# Altium PCB Scaffold.PcbDoc (part 3 of 3) (continued)
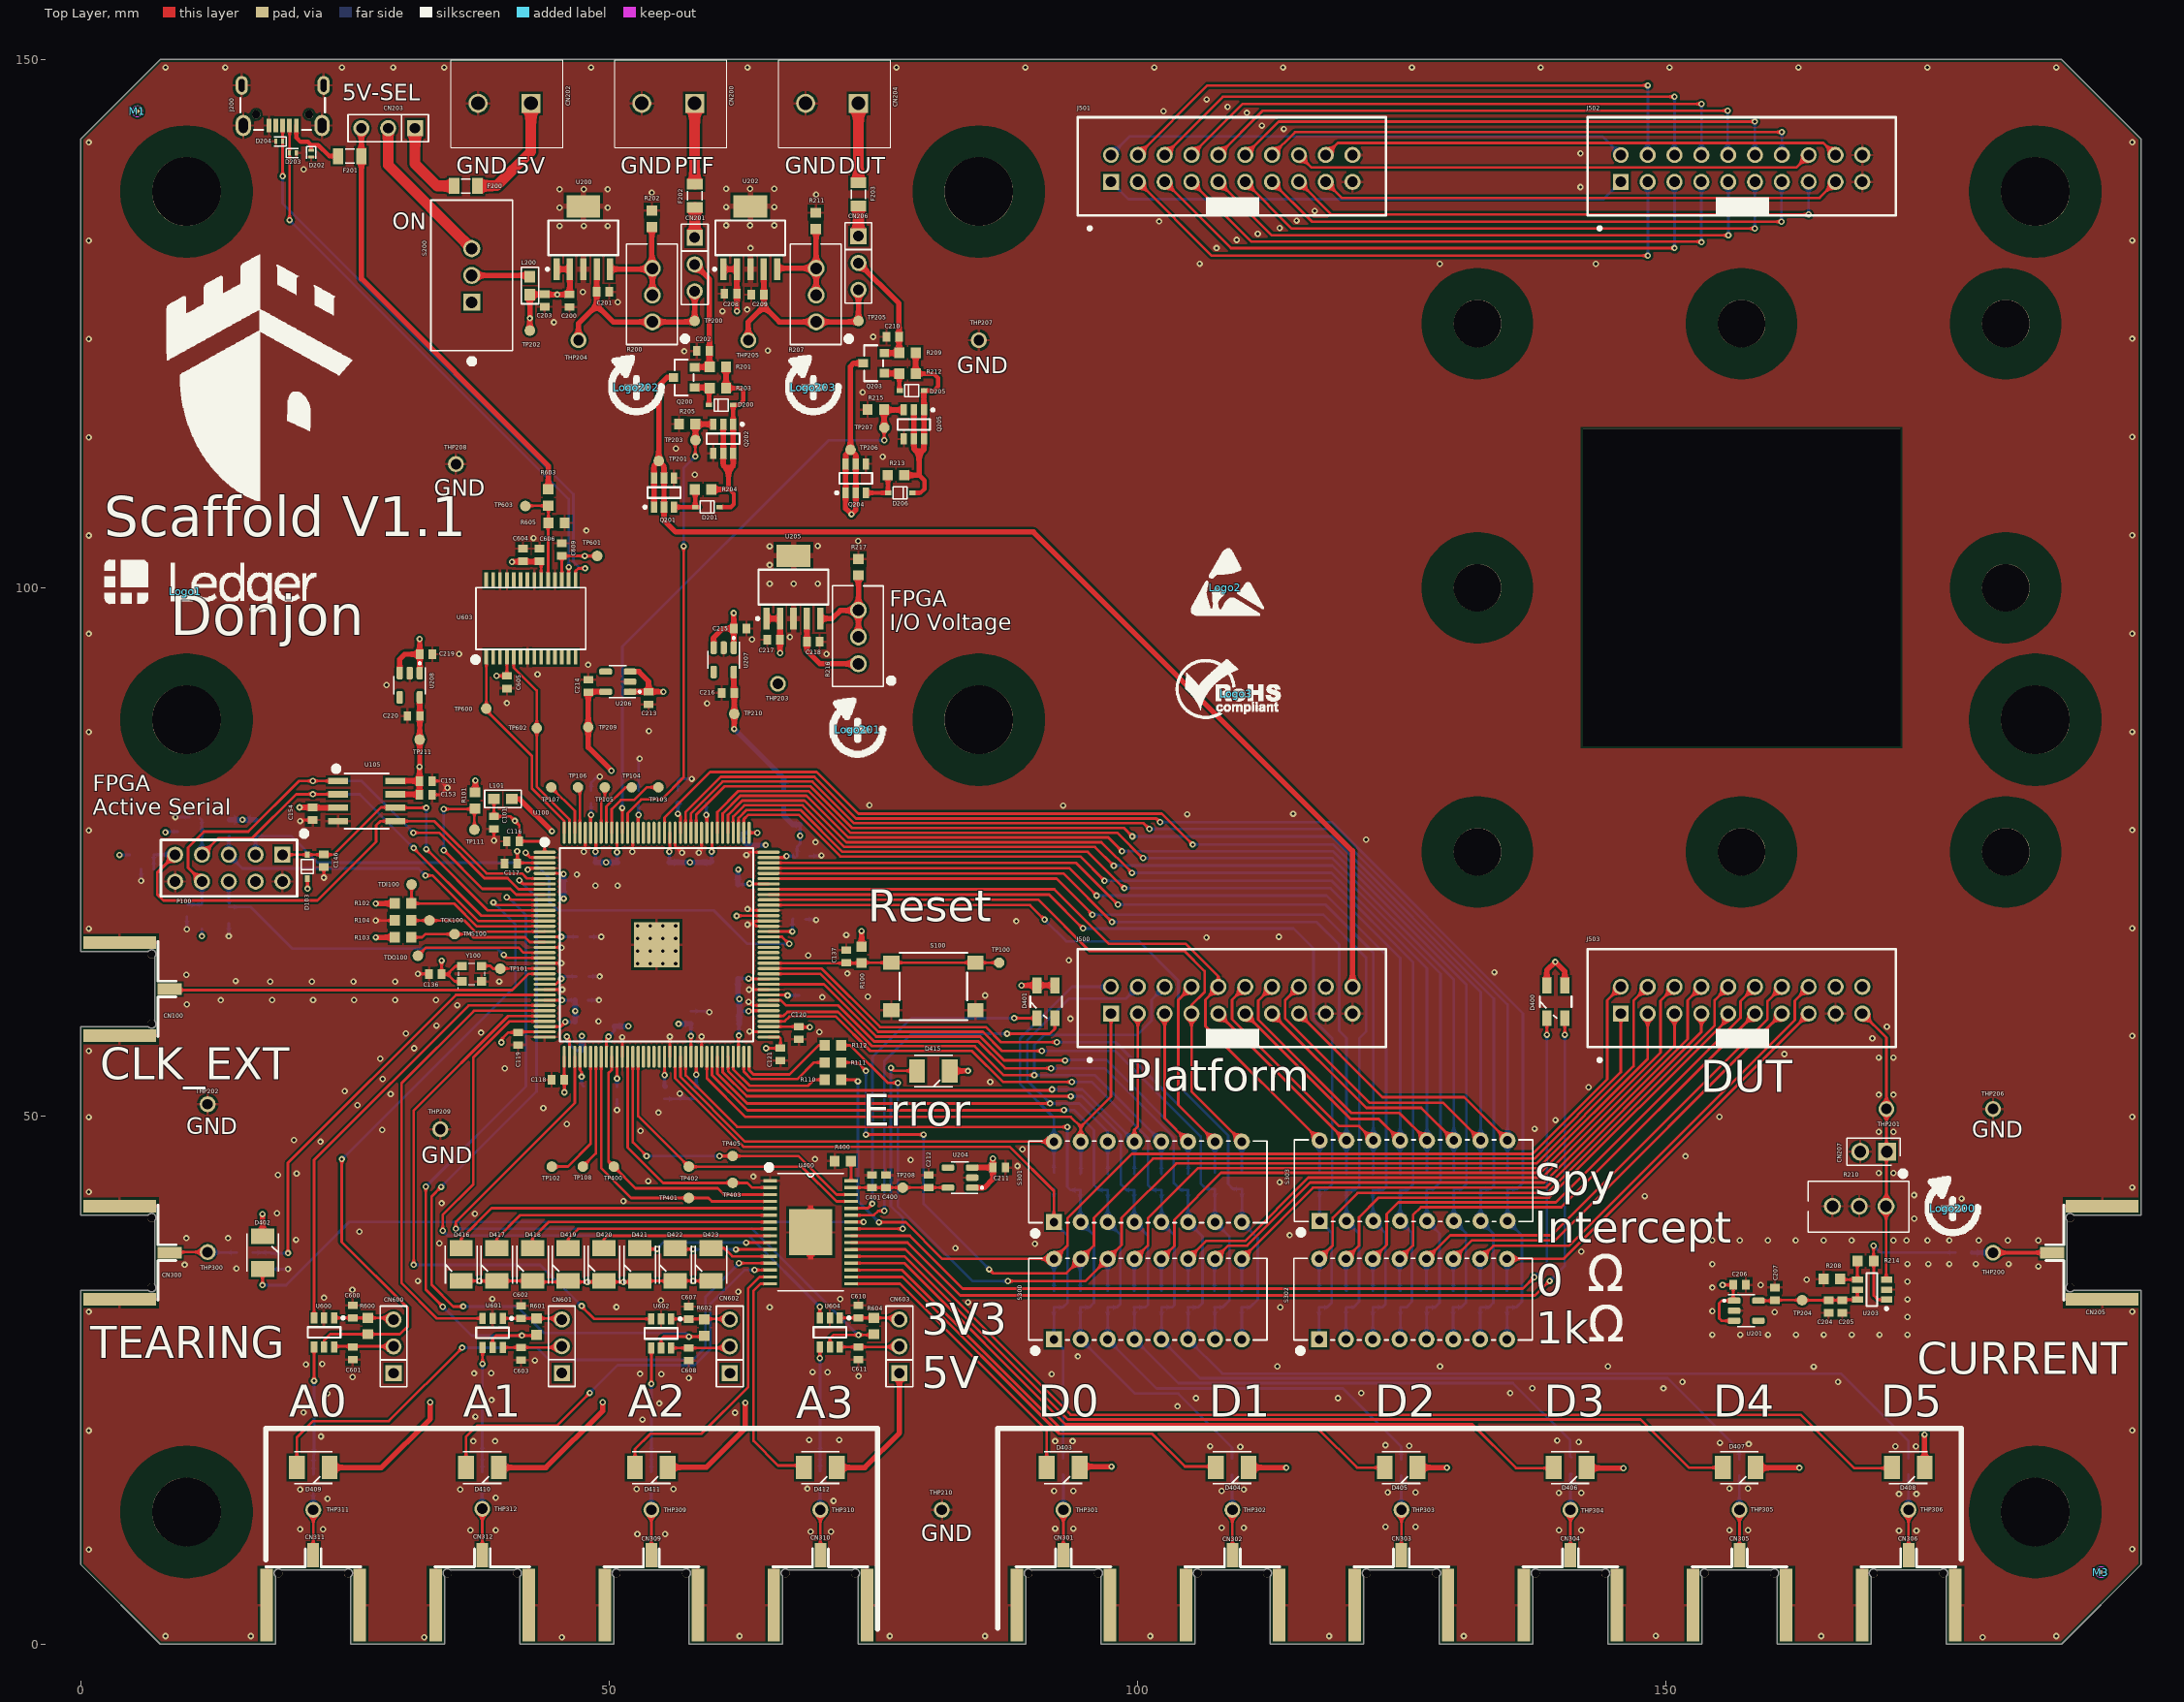
[diagram p0: Top Layer view]
## Nets (pads, with @x,y where several pads share a name; then routed paths per layer and width w, separated by ;. In a path a pad name is that pad's centre, name@x,y a point inside that pad or via, vN(x,y) a via of type N, cw(c..) or ccw(c..) an arc to the next point about the centre after c; other vN are vias at no path point) (continued)
  Bottom Layer w0.25: v1(32.65,43.3) 42.125,52.775 42.125,69.025 40.45,70.7 v1(40.3,70.7) ; v1(34.25,31.925) 34.275,31.925 37,29.2 v1(41.75,29.2)
NetR602_1: R602.1 U100.7 U602.5 | length 77
  Top Layer w0.25: v1(34.1,43.275) 33.2,42.375 33.2,34 35.25,31.95 v1(36.2,31.95) ; v1(41.5,72.3) 41.85,71.95 U100.7@43.9,71.95 ; U602.5@54.925,28.025 54.925,28.875 55.15,29.1 v1(57.575,29.1) R602.1@58.95,29.1
  Bottom Layer w0.25: v1(34.1,43.275) 43.125,52.3 43.125,70.675 v1(41.5,72.3) ; v1(36.2,31.95) 41.3,31.95 43.8,29.45 57.225,29.45 v1(57.575,29.1)
NetR603_1: R603.1 R605.2 TP603.1 U603.19 | length 9.3
  Top Layer w0.25: TP603.1@42.054,107.75 44.229,107.75 44.254,107.775 44.254,106.175 44.225,106.146 U603.19@44.225,100.743
NetR604_1: R604.1 U100.39 U604.5 | length 68.2
  Top Layer w0.25: v1(35.5,39.3) 35.5,39.975 46.75,51.225 U100.39@46.75,55.6 ; U604.5@70.9,28.125 70.9,28.925 71.225,29.25 v1(73.6,29.25) R604.1@74.975,29.25
  Bottom Layer w0.25: v1(35.5,39.3) 63.475,39.3 63.5,39.325 v1@73.575,29.25
NetTDO100_1: TDO100.1 U100.20 | length 12.5
  Top Layer w0.25: TDO100.1@31.9,65.15 32.675,65.925 41.425,65.925 41.9,65.45 U100.20@43.9,65.45
NetTP102_1: TP102.1 U100.42 | length 12.8
  Top Layer w0.25: TP102.1@44.575,45.2 46.1,45.2 48.25,47.35 U100.42@48.25,55.6
NetTP103_1: TP103.1 U100.135 | length 7.5
  Top Layer w0.25: U100.135@50.25,76.8 50.25,79.034 51.116,79.9 52.364,79.9 53.564,81.1 TP103.1@54.68,81.1
NetTP104_1: TP104.1 U100.136 | length 5.6
  Top Layer w0.25: U100.136@49.75,76.8 49.75,79.3 51.55,81.1 TP104.1@52.14,81.1
NetTP105_1: TP105.1 U100.137 | length 4.4
  Top Layer w0.25: U100.137@49.25,76.8 49.25,79.75 49.6,80.1 TP105.1@49.6,81.1
NetTP106_1: TP106.1 U100.141 | length 4.4
  Top Layer w0.25: TP106.1@47.06,81.1 47.25,80.91 U100.141@47.25,76.8
NetTP107_1: TP107.1 U100.142 | length 5.2
  Top Layer w0.25: TP107.1@44.52,81.1 46.75,78.87 U100.142@46.75,76.8
NetTP108_1: TP108.1 U100.43 | length 10.9
  Top Layer w0.25: TP108.1@47.512,45.2 48.75,46.438 U100.43@48.75,55.6
NetTP403_1: TP403.1 U100.49 U400.2 | length 23.7
  Top Layer w0.25: U100.49@51.75,55.6 51.75,47 55.1,43.65 TP403.1@61.7,43.65 63.1,43.65 63.55,43.2 U400.2@65.255,43.2
NetTP405_1: TP405.1 U100.50 U400.30 | length 30.8
  Top Layer w0.25: U100.50@52.25,55.6 52.25,47.5 v1(53.55,46.2) ; v1(60.45,46.2) TP405.1@61.7,46.2 67.9,46.2 71.55,42.55 U400.30@72.9,42.55
  Bottom Layer w0.25: v1(53.55,46.2) v1(60.45,46.2)
NetTP600_1: TP600.1 U100.144 U603.1 | length 19.8
  Top Layer w0.25: U603.1@38.375,93.431 38.375,88.725 38.2,88.55 42.7,84.05 42.7,80.975 45.75,77.925 U100.144@45.75,76.8
NetTP602_1: TP602.1 U100.143 U603.5 | length 18.8
  Top Layer w0.25: U603.5@40.975,93.431 40.975,92.425 43.15,90.25 TP602.1@43.15,86.7 43.15,81.161 46.25,78.061 U100.143@46.25,76.8
NetU100_30: U100.30 U600.3 | length 42.8
  Top Layer w0.25: U600.3@22.075,30.875 22.075,45.825 36.7,60.45 U100.30@43.9,60.45
NetU100_31: U100.31 U601.3 | length 44.4
  Top Layer w0.25: U601.3@38.025,30.825 33.7,30.825 30.35,34.175 30.35,53.075 37.225,59.95 U100.31@43.9,59.95
NetU100_32: U100.32 U602.3 | length 55.3
  Top Layer w0.25: v1(31.5,35.9) 31.5,50.5 40.45,59.45 U100.32@43.9,59.45 ; v1(47.4,32) 47.4,31.95 48.575,30.775 U602.3@53.925,30.775
  Bottom Layer w0.25: v1(31.5,35.9) 43.475,35.9 47.4,31.975 v1(47.4,32)
NetU100_33: U100.33 U604.3 | length 65.5
  Top Layer w0.25: v1(34.25,39.125) 34.25,40.625 37.15,43.525 37.15,55.514 40.586,58.95 U100.33@43.9,58.95 ; U604.3@69.95,30.875 v1(69.95,31.925)
  Bottom Layer w0.25: v1(34.25,39.125) 34.7,38.675 63.2,38.675 v1(69.95,31.925)
nSTATUS: R101.1 TP111.1 U100.9 | length 20.1
  Top Layer w0.25: v1(34.35,75.15) 38,71.5 40.65,71.5 41.2,70.95 U100.9@43.9,70.95 ; v1(34.35,79.05) 37.225,79.05 R101.1@37.25,79.025 ; TP111.1@37.25,77.1 R101.1@37.25,79.025 ; R101.1@37.3,79.075 R101.1@37.25,79.025
  Bottom Layer w0.25: v1(34.35,75.15) v1(34.35,79.05)
PIN1: J501.1 J502.1 | length 49.6
  Bottom Layer w0.25: J501.1@97.51,138.42 99.155,136.775 144.125,136.775 J502.1@145.77,138.42
PIN2: J501.2 J502.2 | length 49.7
  Bottom Layer w0.25: J501.2@97.51,140.96 99.275,142.725 144.005,142.725 J502.2@145.77,140.96
PIN3: J501.3 J502.3 | length 58.2
  Top Layer w0.25: J501.3@100.05,138.42 107.045,131.425 v1(148.325,131.425)
  Bottom Layer w0.25: J502.3@148.31,138.42 148.3,138.41 148.325,138.385 v1(148.325,131.425)
PIN4: J501.4 J502.4 | length 57.6
  Top Layer w0.25: J501.4@100.05,140.96 106.64,147.55 v1(148.325,147.55)
  Bottom Layer w0.25: J502.4@148.31,140.96 148.275,140.995 148.325,141.045 v1(148.325,147.55)
PIN5: J501.5 J502.5 | length 57.1
  Top Layer w0.25: J501.5@102.59,138.42 108.86,132.15 v1(150.85,132.15)
  Bottom Layer w0.25: v1(150.85,132.15) J502.5@150.85,138.42
PIN6: J501.6 J502.6 | length 56.1
  Top Layer w0.25: J501.6@102.59,140.96 108.105,146.475 v1(150.85,146.475)
  Bottom Layer w0.25: J502.6@150.85,140.96 150.825,140.985 150.85,141.01 v1(150.85,146.475)
PIN7: J501.7 J502.7 | length 56.4
  Top Layer w0.25: J501.7@105.13,138.42 110.775,132.775 153.325,132.775 v1(153.4,132.7)
  Bottom Layer w0.25: J502.7@153.39,138.42 153.39,132.71 v1(153.4,132.7)
PIN8: J501.8 J502.8 | length 55.1
  Top Layer w0.25: J501.8@105.13,140.96 109.97,145.8 v1(153.4,145.8)
  Bottom Layer w0.25: J502.8@153.39,140.96 153.4,140.97 v1(153.4,145.8)
PIN9: J501.9 J502.9 | length 55.5
  Top Layer w0.25: J501.9@107.67,138.42 112.74,133.35 v1(155.95,133.35)
  Bottom Layer w0.25: J502.9@155.93,138.42 155.95,138.4 v1(155.95,133.35)
PIN10: J501.10 J502.10 | length 54.2
  Top Layer w0.25: J501.10@107.67,140.96 111.86,145.15 v1(155.875,145.15)
  Bottom Layer w0.25: v1(155.875,145.15) 155.875,141.015 J502.10@155.93,140.96
PIN11: J501.11 J502.11 | length 54.5
  Top Layer w0.25: J501.11@110.21,138.42 114.63,134 v1(158.45,134)
  Bottom Layer w0.25: v1(158.45,134) 158.45,138.4 J502.11@158.47,138.42
PIN12: J501.12 J502.12 | length 52.7
  Top Layer w0.25: J501.12@110.21,140.96 113.375,144.125 v1(158.45,144.125)
  Bottom Layer w0.25: v1(158.45,144.125) 158.45,140.98 J502.12@158.47,140.96
PIN13: J501.13 J502.13 | length 53.6
  Top Layer w0.25: J501.13@112.75,138.42 116.52,134.65 v1(160.975,134.65)
  Bottom Layer w0.25: v1(160.975,134.65) 160.975,138.385 J502.13@161.01,138.42
PIN14: J501.14 J502.14 | length 51.5
  Top Layer w0.25: J501.14@112.75,140.96 114.915,143.125 v1(161,143.125)
  Bottom Layer w0.25: v1(161,143.125) 161,143.205 161.01,143.215 J502.14@161.01,140.96
PIN15: J501.15 J502.15 | length 52.6
  Top Layer w0.25: J501.15@115.29,138.42 118.385,135.325 v1(163.55,135.325)
  Bottom Layer w0.25: v1(163.55,135.325) J502.15@163.55,138.42
PIN16: J501.16 J502.16 | length 49.2
  Top Layer w0.25: J501.16@115.29,140.96 116.475,139.775 162.365,139.775 J502.16@163.55,140.96
PIN17: J501.17 J502.17 | length 49.5
  Top Layer w0.25: J501.17@117.83,138.42 119.35,136.9 164.57,136.9 J502.17@166.09,138.42
PIN18: J501.18 J502.18 | length 49.2
  Top Layer w0.25: J501.18@117.83,140.96 118.97,142.1 164.95,142.1 J502.18@166.09,140.96
USBDM: D203.C J200.2 U603.16 | length 54.3
  Top Layer w0.25: v1(19.75,134.8) D203.C@19.75,141.125 ; D203.C@19.75,141.175 J200.2@19.75,143.75 ; U603.16@46.175,100.743 46.175,102.125 v1(46.175,101.95)
  Bottom Layer w0.25: v1(19.75,134.8) 46.175,108.375 v1(46.175,101.95)
USBDP: D204.C J200.3 U603.15 | length 55.8
  Top Layer w0.25: v1(19.1,138.95) J200.3@19.1,143.75 ; U603.15@46.825,100.743 46.825,101.575 47.075,101.825 v1(47.725,101.825)
  Bottom Layer w0.25: v1@19.15,138.85 19.1,138.8 19.1,136.375 46.625,108.85 46.625,102.456 47.256,101.825 v1(47.725,101.825)
VBus: CN203.3 F201.1 R603.2 | length 41.6
  Top Layer w0.25: R603.2@44.254,109.325 R603.2@44.3,109.371
  Top Layer w0.5: CN203.3@26.55,143.5 F201.1@26.55,140.85 26.55,129.25 44.254,111.546 R603.2@44.254,109.325
VCC_DUT: J503.20 Q203.3 Q204.1 Q204.2 Q204.5 Q204.6 TP206.1 | length 136.4
  Top Layer w0.5: Q203.3@74.05,121.25 73.15,121.25 72.85,120.95 TP206.1@72.85,113.05 ; TP206.1@72.85,113.05 72.4,112.6 Q204.6@72.4,111.725 Q204.1@72.4,108.975 72.4,107.5 v1(72.95,106.95) 73.35,107.35 Q204.2@73.35,108.975 Q204.5@73.35,111.725 73.35,112.55 TP206.1@72.85,113.05
  Power w0.5: v1(72.95,106.95) 75.088,104.812 116.588,104.812 154.175,67.225 163.625,67.225 J503.20@168.63,62.22
VCC_DUT_PERMANENT: C210.2 CN206.2 J503.18 Q203.2 R209.2 | length 150.5
  Top Layer w0.5: CN206.2@73.6,130.74 77.444,126.896 C210.2@77.444,123.75 77.444,122.25 77.394,122.2 Q203.2@76.05,122.2
  Power w0.5: CN206.2@73.6,130.74 71.775,128.915 71.775,104.25 74.175,101.85 116.025,101.85 152.675,65.2 163.11,65.2 J503.18@166.09,62.22
VCC_IO_FPGA: C128.2 C129.2 C130.2 C131.2 C132.2 C133.2 C218.2 R100.2 R216.1 THP203.1 U100.56 U100.62 U100.81 U100.93 U100.117 U100.122 U205.4 | length 27.8
  Top Layer w0.25: v1(55.25,53.85) U100.56@55.25,55.6 ; v1(56.5,78.6) 56.75,78.35 U100.122@56.75,76.8 ; v1(58.25,53.9) U100.62@58.25,55.6 ; U100.117@59.25,76.8 v1@59.25,78.45 ; U100.81@65.1,61.45 v1@66.85,61.45 ; U100.93@65.1,67.45 v1(67.35,67.45)
  Top Layer w0.5: v1(59.2,78.5) v1@59.25,78.45 ; C218.2@68.65,95.125 C218.2@68.675,95.15 ; U205.4@68.72,97.072 68.728,97.064 C218.2@68.728,94.875 68.728,94.022 69.95,92.8 R216.1@73.6,92.8 ; R100.2@73.9,66.025 v1(73.9,67.5)
  Bottom Layer w0.25: C130.2@55.25,52.847 v1(55.25,53.85) ; v1(56.5,78.6) 56.5,79.303 C133.2@56.75,79.553 ; C131.2@58.25,52.847 v1(58.25,53.9) ; v1(59.2,78.5) C132.2@59.2,79.6 ; v1(66.9,61.4) C128.2@68,61.4 ; v1(67.35,67.45) 67.35,68.6 C129.2@67.4,68.65
  Bottom Layer w0.5: C130.2@55.25,52.847 C130.2@55.3,52.797 ; C133.2@56.5,79.603 C133.2@56.55,79.553 ; C131.2@58.25,52.847 C131.2@58.3,52.797
VCC_PLATFORM: J500.20 Q200.3 Q201.1 Q201.2 Q201.5 Q201.6 TP201.1 | length 110.2
  Top Layer w0.5: Q201.1@54.25,107.625 Q201.6@54.25,110.375 54.25,111.525 TP201.1@54.712,111.988 ; Q200.3@56.1,119.9 55.475,119.9 54.7,119.125 TP201.1@54.7,112 TP201.1@54.712,111.988 ; J500.20@120.37,62.22 120.37,75.08 90.175,105.275 56.3,105.275 55.2,106.375 Q201.2@55.2,107.625 Q201.5@55.2,110.375 55.2,111.5 TP201.1@54.712,111.988
VCC_PLATFORM_PERMANENT: C202.2 CN201.2 J500.18 Q200.2 R201.2 | length 115.8
  Top Layer w0.5: Q200.2@58.1,120.85 58.15,120.9 R201.2@59.525,120.9 59.497,120.928 C202.2@59.497,122.2 ; CN201.2@58.1,130.6 59.5,129.2 C202.2@59.5,122.4
  Power w0.5: CN201.2@58.1,130.6 59.5,129.2 59.5,112.4 72.05,99.85 91.15,99.85 117.83,73.17 J500.18@117.83,62.22
Vsupply: C200.2 C203.2 C206.2 C208.2 C211.2 C213.2 C215.2 C217.2 C219.2 C604.1 C606.1 CN600.1 CN601.1 CN602.1 CN603.1 D400.1 D400.2 D401.1 D401.2 D402.2 D403.2 D404.2 D405.2 D406.2 D407.2 D408.2 D409.2 D410.2 D411.2 D412.2 D415.2 D416.2 D417.2 D418.2 D419.2 D420.2 D421.2 D422.2 D423.2 L200.1 TP202.1 U200.1 U200.2 U201.1 U201.3 U202.1 U202.2 U204.1 U204.3 U205.1 U205.2 U206.1 U206.3 U207.1 U207.3 U208.1 U208.3 U603.20 | length 164.1
  Top Layer w0.25: U208.3@30.175,91.916 U208.3@30.197,91.938 ; D416.2@36,34.375 v1(37.75,34.375) D417.2@39.379,34.375 D418.2@42.757,34.375 42.9,34.375 43,34.275 v1(47.95,34.275) v1(51.35,34.275) D421.2@53,34.275 ; U603.20@43.575,100.743 43.575,102.365 C606.1@43.597,102.387 ; D421.2@52.893,34.375 D422.2@56.271,34.375 v1(57.961,34.375) D423.2@59.65,34.375 ; D404.2@110.55,16.8 D404.2@110.65,16.7 ; v1(155.4,34) C206.2@156.403,34 156.403,32.582 U201.1@156.485,32.5 155.3,32.5 155.075,32.275 155.075,30.825 155.3,30.6 U201.3@156.485,30.6 ; D408.2@174.375,16.875 D408.2@174.45,16.8
  Top Layer w0.5: D402.2@17.2,38.6 v1(17.2,40.7) ; D409.2@23.55,16.9 23.75,16.7 28.45,16.7 33.075,21.325 v1(33.075,22.875) ; U208.3@30.175,91.916 30.175,93.225 30.65,93.7 C219.2@32.078,93.7 ; U208.1@32.075,91.916 32.078,91.919 C219.2@32.078,93.7 ; v1@32.075,95.2 v1(32.075,95.15) 32.075,93.703 C219.2@32.078,93.7 ; D410.2@39.55,16.9 39.75,16.7 44.025,16.7 49.4,22.075 v1(49.4,22.875) ; v1@40.797,102.453 C606.1@43.45,102.453 ; TP202.1@42.5,124.341 v1(42.5,125.5) L200.1@42.5,127.75 v1(45.1,127.75) C200.2@46.228,127.75 ; U200.1@45.02,130.15 U200.2@46.29,130.15 ; C200.2@46.28,127.802 U200.2@46.28,129.9 ; U206.3@51.975,92.05 52.825,92.05 53.75,91.125 C213.2@53.75,90.15 ; U206.1@51.997,90.172 U206.1@51.975,90.15 C213.2@53.75,90.15 ; v1(55.15,90.15) C213.2@53.75,90.15 ; D411.2@55.55,16.9 55.725,16.725 59.2,16.725 62.9,20.425 v1(62.9,22.85) ; U207.3@59.9,94.316 59.9,95.275 60.75,96.125 C215.2@61.8,96.125 ; U202.1@60.835,130.15 U202.2@62.105,130.15 62.1,130.145 v1(62.1,126.175) ; U207.1@61.8,94.316 C215.2@61.8,96.125 ; v1(61.8,97.6) C215.2@61.8,96.125 ; U205.1@64.91,97.072 U205.2@66.18,97.072 v1(66.18,93.825) ; D412.2@71.55,16.7 74.2,16.7 77.475,19.975 CN603.1@77.475,25.635 ; D415.2@82.25,54.25 v1(83.975,54.25) ; U204.1@84.375,43.2 85.525,43.2 86.328,44.003 C211.2@86.328,45.1 ; U204.3@84.375,45.1 C211.2@86.328,45.1 ; v1(86.325,45.95) 86.328,45.947 C211.2@86.328,45.1 ; v1(89.029,62.35) D401.1@90.504,62.35 D401.2@92.204,62.35 ; D403.2@94.525,16.7 94.625,16.8 v1(97.55,16.8) ; D404.2@110.525,16.7 110.65,16.7 v1(114.1,16.7) ; D405.2@126.5,16.7 D405.2@126.525,16.7 v1(129.3,16.7) ; D400.1@138.764,62.35 138.764,63.775 v1(139.564,64.575) 140.464,63.675 D400.2@140.464,62.35 ; D406.2@142.525,16.7 142.575,16.65 v1(146.025,16.65) ; D407.2@158.6,16.7 158.625,16.675 v1(162.675,16.675) ; D408.2@174.375,16.875 174.525,17.025 v1(174.525,19.825)
  Power w0.25: v1@17.2,40.64 17.23,40.67 v1(17.2,40.7) ; v1@97.5,16.8 v1(97.55,16.8)
  other v1: 40.8,102.45
pads on no net: CN100.3 CN100.4 CN205.3 CN205.4 CN300.3 CN300.4 CN301.3 CN301.4 CN302.3 CN302.4 CN303.3 CN303.4 CN304.3 CN304.4 CN305.3 CN305.4 CN306.3 CN306.4 CN309.3 CN309.4 CN310.3 CN310.4 CN311.3 CN311.4 CN312.3 CN312.4 J200.4 J200.MH1 J200.MH2 M1.1 M2.1 M3.1 M4.1 S200.1 U100.25 U100.52 U100.53 U100.54 U100.55 U100.88 U100.89 U100.90 U100.91 U100.126 U100.127 U100.128 U100.129 U201.4 U204.4 U206.4 U207.4 U208.4 U603.2 U603.3 U603.6 U603.8 U603.9 U603.10 U603.11 U603.12 U603.13 U603.14 U603.22 U603.23 U603.24 U603.27 U603.28

## Polygon pours and split planes (outlines as drawn)
GND on Top Layer "Top Layer-GND" (solid, remove dead copper, pour order 29): 7.5,0 0,7.5 0,142.5 7.5,150 187.5,150 195,142.5 195,7.5 187.5,0
GND on GND "Layer1-GND" (solid, remove dead copper, pour order 30): 7.5,0 0,7.5 0,142.5 7.5,150 187.5,150 195,142.5 195,7.5 187.5,0
1V2_FPGA on Power "Signal Layer 2 - 1V2_FPGA" (solid, remove dead copper, pour order 34): 43.933,77.5 43.925,76.475 44.575,73.475 46.225,73.475 46.225,72.842 46.225,72.05 44.125,72.05 46.4,68.05 46.375,58.575 46.875,57.875 46.875,56.85 49.25,56.85 49.25,58.025 62.675,58.025 62.675,74.375 47.15,74.375 45.7,77.5
VCC_IO_FPGA on Power "Signal Layer 2 - VCCIO_FPGA" (solid, remove dead copper, pour order 35): 76.225,94.175 67.475,94.175 55,81.7 55,71.55 57.425,69.125 57.3,69 57.3,58.2 53.775,54.675 53.775,49.5 55.425,47.85 72.475,47.85 76.975,52.35 76.975,92.95
3V3_FPGA on Power "Signal Layer 2 - 3V3_FPGA" (solid, remove dead copper, pour order 36): 24.225,79.575 30.525,83.575 54.35,83.575 55.075,82.85 55.075,71.325 52.05,68.3 52.05,46.525 50.1,44.575 23.65,44.575 23.65,52.817 2.825,73.642 2.825,79.575
Vsupply on Power "Signal Layer 2- Vsupply" (solid, remove dead copper, pour order 37): 1.454,73.596 14.7,60.35 14.7,39.85 20.397,39.85 27.75,32.903 27.75,20.125 96.475,20.125 96.475,15.275 105.925,15.275 105.925,19.275 112.5,19.275 112.5,15.625 122.125,15.625 122.125,19.5 128.125,19.5 128.125,15.625 137.375,15.625 137.375,19.775 145.125,19.775 145.125,15.625 154.375,15.625 154.375,19.75 161.875,19.75 161.875,15.625 170.25,15.625 170.25,19.275 175.975,19.275 176,19.25 176,27.125 156.025,27.125 156.025,61.1 193.546,61.1 193.546,141.5 186.5,148.546 8.802,148.546 1.454,141.198
NetC101_2 on Power "Signal Layer 2 - NetC101_2" (solid, remove dead copper, pour order 32): 65.5,76.15 64.613,76.15 62.95,74.306 62.95,56.675 46.7,56.675 46.7,60.466 48.175,61.941 48.175,67.649 44.8,71.024 44.8,75.524 41.94,78.384 40.868,78.384 40.604,78.12 40.604,77.73 41.009,77.325 41.675,77.325 43.865,75.135 43.891,75.135 43.891,70.635 46.05,68.476 46.05,60.924 43.341,58.215 43.341,53.509 45.125,51.725 45.975,51.725 46.3,52.05 46.3,54.775 47.175,55.65 47.225,55.6 65.325,55.6 65.5,55.775
NetC100_2 on Power "Signal Layer 2 - NetC100_2" (solid, remove dead copper, pour order 33): 68.593,76.508 68.6,73.65 66.775,73.65 65.95,72.825 65.95,61.075 66.85,60.175 68.75,60.175 70.575,58.35 70.575,56.75 68.591,54.766 47.54,54.766 46.875,54.101 46.875,51.7 46.25,51.075 44.875,51.075 38.864,57.086 38.864,74.564 39.95,75.65 42.3,75.65 43.069,74.881 43.069,70.572 43.069,60.14 43.069,59.821 43.069,53.581 45.075,51.575 46.05,51.575 46.375,51.9 46.375,54.6 47.25,55.475 65.2,55.475 65.5,55.775 65.45,55.825 65.45,75.524 66.905,76.979 68.278,76.979 68.554,76.703
GND on Power "Signal Layer 2 - GND" (solid, remove dead copper, pour order 38): 0,0 0,150 195,150 195,0
GND on Bottom Layer "Bottom Layer-GND" (solid, remove dead copper, pour order 31): 7.5,0 0,7.5 0,142.5 7.5,150 187.5,150 195,142.5 195,7.5 187.5,0

## Other copper
Top Layer:
  pour cut-out: 176.95,100 ccw(c182.2,100) 182.2,94.75 ccw(c182.2,100) 187.45,100 ccw(c182.2,100) 182.2,105.25 ccw(c182.2,100)
  pour cut-out: 176.95,75 ccw(c182.2,75) 182.2,69.75 ccw(c182.2,75) 187.45,75 ccw(c182.2,75) 182.2,80.25 ccw(c182.2,75)
  pour cut-out: 151.95,75 ccw(c157.2,75) 157.2,69.75 ccw(c157.2,75) 162.45,75 ccw(c157.2,75) 157.2,80.25 ccw(c157.2,75)
  pour cut-out: 126.95,75 ccw(c132.2,75) 132.2,69.75 ccw(c132.2,75) 137.45,75 ccw(c132.2,75) 132.2,80.25 ccw(c132.2,75)
  pour cut-out: 126.95,100 ccw(c132.2,100) 132.2,94.75 ccw(c132.2,100) 137.45,100 ccw(c132.2,100) 132.2,105.25 ccw(c132.2,100)
  pour cut-out: 126.95,125 ccw(c132.2,125) 132.2,119.75 ccw(c132.2,125) 137.45,125 ccw(c132.2,125) 132.2,130.25 ccw(c132.2,125)
  pour cut-out: 151.95,125 ccw(c157.2,125) 157.2,119.75 ccw(c157.2,125) 162.45,125 ccw(c157.2,125) 157.2,130.25 ccw(c157.2,125)
  pour cut-out: 176.95,125 ccw(c182.2,125) 182.2,119.75 ccw(c182.2,125) 187.45,125 ccw(c182.2,125) 182.2,130.25 ccw(c182.2,125)
  pour cut-out: 78.75,87.5 ccw(c85,87.5) 85,81.25 ccw(c85,87.5) 91.25,87.5 ccw(c85,87.5) 85,93.75 ccw(c85,87.5)
  pour cut-out: 78.75,137.5 ccw(c85,137.5) 85,131.25 ccw(c85,137.5) 91.25,137.5 ccw(c85,137.5) 85,143.75 ccw(c85,137.5)
  pour cut-out: 3.75,137.5 ccw(c10,137.5) 10,131.25 ccw(c10,137.5) 16.25,137.5 ccw(c10,137.5) 10,143.75 ccw(c10,137.5)
  pour cut-out: 3.75,87.5 ccw(c10,87.5) 10,81.25 ccw(c10,87.5) 16.25,87.5 ccw(c10,87.5) 10,93.75 ccw(c10,87.5)
  pour cut-out: 3.75,12.5 ccw(c10,12.5) 10,6.25 ccw(c10,12.5) 16.25,12.5 ccw(c10,12.5) 10,18.75 ccw(c10,12.5)
  pour cut-out: 178.75,12.5 ccw(c185,12.5) 185,6.25 ccw(c185,12.5) 191.25,12.5 ccw(c185,12.5) 185,18.75 ccw(c185,12.5)
  pour cut-out: 178.75,87.5 ccw(c185,87.5) 185,81.25 ccw(c185,87.5) 191.25,87.5 ccw(c185,87.5) 185,93.75 ccw(c185,87.5)
  pour cut-out: 178.75,137.5 ccw(c185,137.5) 185,131.25 ccw(c185,137.5) 191.25,137.5 ccw(c185,137.5) 185,143.75 ccw(c185,137.5)
GND:
  pour cut-out: 126.95,125 ccw(c132.2,125) 132.2,119.75 ccw(c132.2,125) 137.45,125 ccw(c132.2,125) 132.2,130.25 ccw(c132.2,125)
  pour cut-out: 151.95,125 ccw(c157.2,125) 157.2,119.75 ccw(c157.2,125) 162.45,125 ccw(c157.2,125) 157.2,130.25 ccw(c157.2,125)
  pour cut-out: 176.95,125 ccw(c182.2,125) 182.2,119.75 ccw(c182.2,125) 187.45,125 ccw(c182.2,125) 182.2,130.25 ccw(c182.2,125)
  pour cut-out: 176.95,100 ccw(c182.2,100) 182.2,94.75 ccw(c182.2,100) 187.45,100 ccw(c182.2,100) 182.2,105.25 ccw(c182.2,100)
  pour cut-out: 176.95,75 ccw(c182.2,75) 182.2,69.75 ccw(c182.2,75) 187.45,75 ccw(c182.2,75) 182.2,80.25 ccw(c182.2,75)
  pour cut-out: 151.95,75 ccw(c157.2,75) 157.2,69.75 ccw(c157.2,75) 162.45,75 ccw(c157.2,75) 157.2,80.25 ccw(c157.2,75)
  pour cut-out: 126.95,75 ccw(c132.2,75) 132.2,69.75 ccw(c132.2,75) 137.45,75 ccw(c132.2,75) 132.2,80.25 ccw(c132.2,75)
  pour cut-out: 126.95,100 ccw(c132.2,100) 132.2,94.75 ccw(c132.2,100) 137.45,100 ccw(c132.2,100) 132.2,105.25 ccw(c132.2,100)
  pour cut-out: 3.75,137.5 ccw(c10,137.5) 10,131.25 ccw(c10,137.5) 16.25,137.5 ccw(c10,137.5) 10,143.75 ccw(c10,137.5)
  pour cut-out: 78.75,137.5 ccw(c85,137.5) 85,131.25 ccw(c85,137.5) 91.25,137.5 ccw(c85,137.5) 85,143.75 ccw(c85,137.5)
  pour cut-out: 178.75,137.5 ccw(c185,137.5) 185,131.25 ccw(c185,137.5) 191.25,137.5 ccw(c185,137.5) 185,143.75 ccw(c185,137.5)
  pour cut-out: 78.75,87.5 ccw(c85,87.5) 85,81.25 ccw(c85,87.5) 91.25,87.5 ccw(c85,87.5) 85,93.75 ccw(c85,87.5)
  pour cut-out: 3.75,87.5 ccw(c10,87.5) 10,81.25 ccw(c10,87.5) 16.25,87.5 ccw(c10,87.5) 10,93.75 ccw(c10,87.5)
  pour cut-out: 3.75,12.5 ccw(c10,12.5) 10,6.25 ccw(c10,12.5) 16.25,12.5 ccw(c10,12.5) 10,18.75 ccw(c10,12.5)
  pour cut-out: 178.75,12.5 ccw(c185,12.5) 185,6.25 ccw(c185,12.5) 191.25,12.5 ccw(c185,12.5) 185,18.75 ccw(c185,12.5)
  pour cut-out: 178.75,87.5 ccw(c185,87.5) 185,81.25 ccw(c185,87.5) 191.25,87.5 ccw(c185,87.5) 185,93.75 ccw(c185,87.5)
Power:
  pour cut-out: 3.75,12.5 ccw(c10,12.5) 10,6.25 ccw(c10,12.5) 16.25,12.5 ccw(c10,12.5) 10,18.75 ccw(c10,12.5)
  pour cut-out: 178.75,12.5 ccw(c185,12.5) 185,6.25 ccw(c185,12.5) 191.25,12.5 ccw(c185,12.5) 185,18.75 ccw(c185,12.5)
  pour cut-out: 178.75,87.5 ccw(c185,87.5) 185,81.25 ccw(c185,87.5) 191.25,87.5 ccw(c185,87.5) 185,93.75 ccw(c185,87.5)
  pour cut-out: 178.75,137.5 ccw(c185,137.5) 185,131.25 ccw(c185,137.5) 191.25,137.5 ccw(c185,137.5) 185,143.75 ccw(c185,137.5)
  pour cut-out: 78.75,87.5 ccw(c85,87.5) 85,81.25 ccw(c85,87.5) 91.25,87.5 ccw(c85,87.5) 85,93.75 ccw(c85,87.5)
  pour cut-out: 78.75,137.5 ccw(c85,137.5) 85,131.25 ccw(c85,137.5) 91.25,137.5 ccw(c85,137.5) 85,143.75 ccw(c85,137.5)
  pour cut-out: 3.75,137.5 ccw(c10,137.5) 10,131.25 ccw(c10,137.5) 16.25,137.5 ccw(c10,137.5) 10,143.75 ccw(c10,137.5)
  pour cut-out: 3.75,87.5 ccw(c10,87.5) 10,81.25 ccw(c10,87.5) 16.25,87.5 ccw(c10,87.5) 10,93.75 ccw(c10,87.5)
  pour cut-out: 126.95,125 ccw(c132.2,125) 132.2,119.75 ccw(c132.2,125) 137.45,125 ccw(c132.2,125) 132.2,130.25 ccw(c132.2,125)
  pour cut-out: 151.95,125 ccw(c157.2,125) 157.2,119.75 ccw(c157.2,125) 162.45,125 ccw(c157.2,125) 157.2,130.25 ccw(c157.2,125)
  pour cut-out: 176.95,125 ccw(c182.2,125) 182.2,119.75 ccw(c182.2,125) 187.45,125 ccw(c182.2,125) 182.2,130.25 ccw(c182.2,125)
  pour cut-out: 176.95,100 ccw(c182.2,100) 182.2,94.75 ccw(c182.2,100) 187.45,100 ccw(c182.2,100) 182.2,105.25 ccw(c182.2,100)
  pour cut-out: 176.95,75 ccw(c182.2,75) 182.2,69.75 ccw(c182.2,75) 187.45,75 ccw(c182.2,75) 182.2,80.25 ccw(c182.2,75)
  pour cut-out: 151.95,75 ccw(c157.2,75) 157.2,69.75 ccw(c157.2,75) 162.45,75 ccw(c157.2,75) 157.2,80.25 ccw(c157.2,75)
  pour cut-out: 126.95,75 ccw(c132.2,75) 132.2,69.75 ccw(c132.2,75) 137.45,75 ccw(c132.2,75) 132.2,80.25 ccw(c132.2,75)
  pour cut-out: 126.95,100 ccw(c132.2,100) 132.2,94.75 ccw(c132.2,100) 137.45,100 ccw(c132.2,100) 132.2,105.25 ccw(c132.2,100)
Bottom Layer:
  pour cut-out: 176.95,100 ccw(c182.2,100) 182.2,94.75 ccw(c182.2,100) 187.45,100 ccw(c182.2,100) 182.2,105.25 ccw(c182.2,100)
  pour cut-out: 176.95,75 ccw(c182.2,75) 182.2,69.75 ccw(c182.2,75) 187.45,75 ccw(c182.2,75) 182.2,80.25 ccw(c182.2,75)
  pour cut-out: 151.95,75 ccw(c157.2,75) 157.2,69.75 ccw(c157.2,75) 162.45,75 ccw(c157.2,75) 157.2,80.25 ccw(c157.2,75)
  pour cut-out: 126.95,75 ccw(c132.2,75) 132.2,69.75 ccw(c132.2,75) 137.45,75 ccw(c132.2,75) 132.2,80.25 ccw(c132.2,75)
  pour cut-out: 126.95,100 ccw(c132.2,100) 132.2,94.75 ccw(c132.2,100) 137.45,100 ccw(c132.2,100) 132.2,105.25 ccw(c132.2,100)
  pour cut-out: 126.95,125 ccw(c132.2,125) 132.2,119.75 ccw(c132.2,125) 137.45,125 ccw(c132.2,125) 132.2,130.25 ccw(c132.2,125)
  pour cut-out: 151.95,125 ccw(c157.2,125) 157.2,119.75 ccw(c157.2,125) 162.45,125 ccw(c157.2,125) 157.2,130.25 ccw(c157.2,125)
  pour cut-out: 176.95,125 ccw(c182.2,125) 182.2,119.75 ccw(c182.2,125) 187.45,125 ccw(c182.2,125) 182.2,130.25 ccw(c182.2,125)
  pour cut-out: 78.75,87.5 ccw(c85,87.5) 85,81.25 ccw(c85,87.5) 91.25,87.5 ccw(c85,87.5) 85,93.75 ccw(c85,87.5)
  pour cut-out: 78.75,137.5 ccw(c85,137.5) 85,131.25 ccw(c85,137.5) 91.25,137.5 ccw(c85,137.5) 85,143.75 ccw(c85,137.5)
  pour cut-out: 3.75,137.5 ccw(c10,137.5) 10,131.25 ccw(c10,137.5) 16.25,137.5 ccw(c10,137.5) 10,143.75 ccw(c10,137.5)
  pour cut-out: 3.75,87.5 ccw(c10,87.5) 10,81.25 ccw(c10,87.5) 16.25,87.5 ccw(c10,87.5) 10,93.75 ccw(c10,87.5)
  pour cut-out: 3.75,12.5 ccw(c10,12.5) 10,6.25 ccw(c10,12.5) 16.25,12.5 ccw(c10,12.5) 10,18.75 ccw(c10,12.5)
  pour cut-out: 178.75,12.5 ccw(c185,12.5) 185,6.25 ccw(c185,12.5) 191.25,12.5 ccw(c185,12.5) 185,18.75 ccw(c185,12.5)
  pour cut-out: 178.75,87.5 ccw(c185,87.5) 185,81.25 ccw(c185,87.5) 191.25,87.5 ccw(c185,87.5) 185,93.75 ccw(c185,87.5)
  pour cut-out: 178.75,137.5 ccw(c185,137.5) 185,131.25 ccw(c185,137.5) 191.25,137.5 ccw(c185,137.5) 185,143.75 ccw(c185,137.5)

## Silkscreen, mask and mechanical layers (free items; w line width, h text height)
Top Overlay:
  drawing of 1407 lines, arcs and shapes, not listed
  text "5V-SEL" at 24.775,146.1 h1.52
  text "GND" at 35.55,139.2 h1.52
  text "5V" at 41.2,139.2 h1.52
  text "GND" at 51.1,139.2 h1.52
  text "PTF" at 56.2,139.2 h1.52
  text "GND" at 66.65,139.2 h1.52
  text "DUT" at 71.675,139.2 h1.52
  text "ON" at 29.5,133.9 h1.52
  text "GND" at 82.95,120.3 h1.52
  text "GND" at 33.45,108.7 h1.52
  text "Scaffold V1.1" at 2.168,103.65 h6.5
  text "FPGA / I/O Voltage" at 76.55,95.95 h1.5
  text "Donjon" at 8.475,94.275 h6.5
  text "FPGA / Active Serial" at 1.125,78.5 h1.5
  text "Reset" at 74.475,68.4 h3
  text "CLK_EXT" at 1.8,53.425 h3
  text "Platform" at 98.865,52.325 h3
  text "DUT" at 153.325,52.225 h3
  text "Error" at 73.975,49.05 h3
  text "GND" at 10,48.275 h1.52
  text "GND" at 179,47.925 h1.52
  text "GND" at 32.225,45.525 h1.52
  text "Spy / Intercept" at 137.575,37.975 h3
  text "3V3" at 79.575,29.25 h3
  text "0  / 1k" at 137.699,28.451 h3
  text "TEARING" at 0.925,27.05 h3
  text "CURRENT" at 173.8,25.525 h3
  text "5V" at 79.6,24.225 h3
  text "A0" at 19.7,21.5 h3
  text "A1" at 36.2,21.5 h3
  text "A2" at 51.8,21.5 h3
  text "D0" at 90.6,21.5 h3
  text "D1" at 106.8,21.5 h3
  text "D2" at 122.5,21.5 h3
  text "D3" at 138.5,21.5 h3
  text "D4" at 154.5,21.5 h3
  text "D5" at 170.4,21.5 h3
  text "A3" at 67.7,21.375 h3
  text "GND" at 79.55,9.725 h1.52
Mechanical 1:
  lines w0.12: 7.006,58.964 7.006,65.056 ccw(c6.706,65.32) 6.394,65.57 0,65.57 0,142.5 7.5,150 187.5,150 195,142.5 195,40.61 188.606,40.61 ccw(c188.294,40.36) 187.994,40.096 ; 7.006,58.964 cw(c6.706,58.7) 6.394,58.45 0,58.45 0,40.61 6.394,40.61 cw(c6.706,40.36) 7.006,40.096 7.006,34.004 cw(c6.706,33.74) 6.394,33.49 0,33.49 0,7.5 7.5,0 18.44,0 18.44,6.394 cw(c18.69,6.706) 18.954,7.006 25.046,7.006 cw(c25.31,6.706) 25.56,6.394 25.56,0 34.44,0 34.44,6.394 cw(c34.69,6.706) 34.954,7.006 41.046,7.006 ; 41.046,7.006 cw(c41.31,6.706) 41.56,6.394 41.56,0 50.44,0 50.44,6.394 cw(c50.69,6.706) 50.954,7.006 57.046,7.006 cw(c57.31,6.706) 57.56,6.394 57.56,0 66.44,0 66.44,6.394 cw(c66.69,6.706) 66.954,7.006 73.046,7.006 cw(c73.31,6.706) 73.56,6.394 73.56,0 89.315,0 89.44,0 89.44,6.394 cw(c89.69,6.706) 89.954,7.006 96.046,7.006 cw(c96.31,6.706) 96.56,6.394 96.56,0 105.44,0 105.44,6.394 cw(c105.69,6.706) 105.954,7.006 112.046,7.006 cw(c112.31,6.706) 112.56,6.394 112.56,0 121.44,0 121.44,6.394 cw(c121.69,6.706) 121.954,7.006 128.046,7.006 ; 128.046,7.006 cw(c128.31,6.706) 128.56,6.394 128.56,0 137.44,0 137.44,6.394 cw(c137.69,6.706) 137.954,7.006 144.046,7.006 cw(c144.31,6.706) 144.56,6.394 144.56,0 153.44,0 153.44,6.394 cw(c153.69,6.706) 153.954,7.006 160.046,7.006 cw(c160.31,6.706) 160.56,6.394 160.56,0 169.44,0 169.44,6.394 cw(c169.69,6.706) 169.954,7.006 176.046,7.006 cw(c176.31,6.706) 176.56,6.394 176.56,0 187.5,0 195,7.5 195,33.49 188.606,33.49 cw(c188.294,33.74) 187.994,34.004 187.994,40.096 ; 142.2,85.014 172.2,85.014 172.2,115.014 142.2,115.014 142.2,85.014

## Text inside footprints (layer, text, board x,y; h text height)
J200: Mechanical 7 "PCB Edge" at 20.4,149.95 h0.41 r180
S300: Mechanical 13 "OFF" at 89.595,27.95 h1.27 r90; Mechanical 13 "ON" at 89.595,35.76 h1.27 r90; Mechanical 13 "*" at 92.745,28.839 h1.27 r90
S301: Mechanical 13 "OFF" at 89.595,39.051 h1.27 r90; Mechanical 13 "ON" at 89.595,46.861 h1.27 r90; Mechanical 13 "*" at 92.745,39.94 h1.27 r90
S302: Mechanical 13 "OFF" at 114.695,27.95 h1.27 r90; Mechanical 13 "ON" at 114.695,35.761 h1.27 r90; Mechanical 13 "*" at 117.845,28.839 h1.27 r90
S303: Mechanical 13 "OFF" at 114.745,39.161 h1.27 r90; Mechanical 13 "ON" at 114.745,46.971 h1.27 r90; Mechanical 13 "*" at 117.895,40.05 h1.27 r90